# KiCad board mlcflex.kicad_pcb
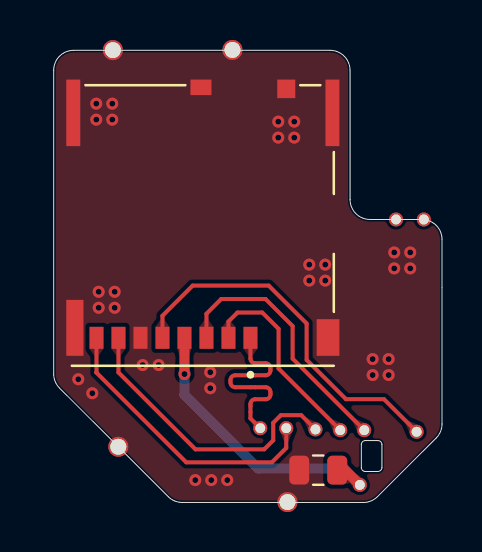
[diagram p0: board, top side]
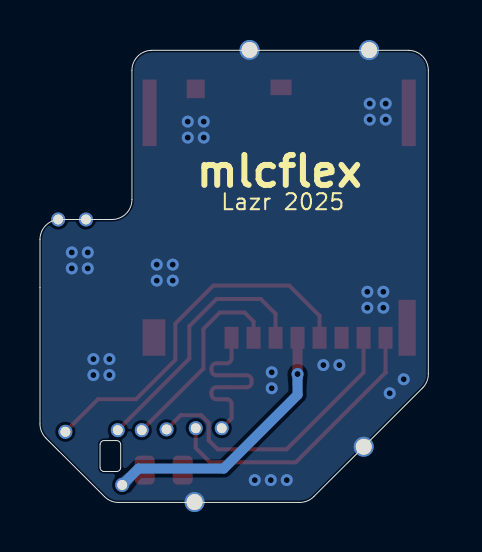
[diagram p1: board, bottom side, seen from below]

Outline 19.42 x 22.64 mm; copper layers: Top, Bottom. Coordinates in mm from the lower left corner of the outline.
Outline path: 0,21.64 0,6.43 arc(0.08,6.05) 0.29,5.73 5.73,0.29 arc(6.05,0.08) 6.43,0 15.49,0 arc(15.87,0.08) 16.19,0.29 19.13,3.23 arc(19.34,3.55) 19.42,3.93 19.42,13.17 arc(19.13,13.88) 18.42,14.17 15.82,14.17 arc(15.11,14.46) 14.82,15.17 14.82,21.64 arc(14.53,22.35) 13.82,22.64 1,22.64 arc(0.29,22.35) 0,21.64 ; 15.39,2.9 arc(15.44,3.04) 15.58,3.1 16.22,3.1 arc(16.36,3.04) 16.41,2.9 16.41,1.75 arc(16.36,1.61) 16.22,1.55 15.58,1.55 arc(15.44,1.61) 15.39,1.75 15.39,2.9
Stack: Top 0.035mm / dielectric 0.03mm FR4 er 4.5 / Bottom 0.035mm

## Placement (name value [footprint] x y rotation side)
C1  22uF  [C_0805_2012Metric]  13.23 1.62 180 top
J1  503398-1892  [MOLEX_503398-1892]  7.46 13.87 180 top
J32  Conn_01x01  [wii-single-via-0.5mm]  10.33 3.72 0 top
NOREF  -  [unnamed]  11.63 3.72 0 top
NOREF#2  -  [unnamed]  17.12 14.17 0 top
NOREF#3  -  [unnamed]  13.09 3.66 0 top
NOREF#4  -  [unnamed#2]  11.69 0.02 0 top
NOREF#5  -  [unnamed#2]  8.94 22.66 0 top
NOREF#6  -  [unnamed]  15.53 3.62 0 top
NOREF#7  -  [unnamed#2]  3.23 2.79 0 top
NOREF#8  -  [unnamed]  15.31 0.88 0 top
NOREF#9  -  [unnamed#2]  2.96 22.65 0 top
NOREF#10  -  [unnamed]  14.33 3.62 0 top
NOREF#11  -  [unnamed]  18.51 14.17 0 top
NOREF#12  -  [unnamed]  18.15 3.54 0 top

## Library data of the parts
C1 = -: Description: Unpolarized capacitor; ki_fp_filters: C_*

## Footprints (pads in the part's own frame, mm; a bottom-side part is the same pattern mirrored in y, then rotated)
C_0805_2012Metric
  rrect 1x1.45 smd: 1(-0.95,0) 2(0.95,0)
MOLEX_503398-1892
  rect 0.7x1.1 smd: 1(-2.38,5.625) 2(-1.28,5.625) 3(-0.18,5.625) 4(0.92,5.625) 5(2.02,5.625) 6(3.12,5.625) 7(4.22,5.625) 8(5.32,5.625)
  rect 0.9x0.93 smd: 9(-4.17,-6.84)
  rect 1.05x0.78 smd: 10(0.095,-6.915)
  rect 1.14x1.83 smd: P1(-6.26,5.61)
  rect 0.86x2.8 smd: P2(6.4,5.125)
  rect 0.7x3.33 smd: P3(-6.48,-5.64) P4(6.48,-5.64)
unnamed
  round 0.7 hole 0.5: 1(0,0)
unnamed#2
  oval 1x1 hole 0.8: 1(0,0)
wii-single-via-0.5mm
  round 0.508 hole 0.5: 1(0,0)

## Nets
+3V3: C1.1 J1.4 NOREF#8.1
GND: C1.2 J1.6 J1.9 J1.10 J1.P1 J1.P2 J1.P3 J1.P4 NOREF#4.1 NOREF#5.1 NOREF#7.1 NOREF#9.1
/CLK: J1.5 NOREF#12.1
/CMD: J1.3 NOREF#6.1
/DAT0: J1.7 NOREF#3.1
/DAT1: J1.8 NOREF.1
/DAT2: J1.1 J32.1
/DAT3: J1.2 NOREF#10.1

Pads without a net: NOREF#2 1; NOREF#11 1

## Via types
v1: diameter 0.6, hole 0.3, Top to Bottom, 34 vias

## Routing (per net, layer and track width the routed paths; a pad name or vN(x,y) marks a point on that pad's centre or on a via; arc(x,y) is an arc through that point)
+3V3: length 15.3
  Top w0.2: 14.1,1.7 14.03,1.7 13.92,1.59
  Top w0.5: v1(6.54,6.43) J1.4 ; NOREF#8.1 14.49,1.7 14.1,1.7
  Bottom w0.5: NOREF#8.1 14.49,1.7 10.23,1.7 6.54,5.39 v1(6.54,6.43)
GND:
  vias: v1(1.23,6.17) v1(1.93,5.47) v1(2.13,19.97) v1(2.13,19.17) v1(2.25,10.55) v1(2.25,9.75) v1(2.93,19.97) v1(2.93,19.17) v1(3.05,10.55) v1(3.05,9.75) v1(4.45,6.88) v1(5.25,6.88) v1(7.08,1.12) v1(7.83,6.52) v1(7.83,5.72) v1(7.88,1.12) v1(8.68,1.12) v1(11.23,19.07) v1(11.23,18.27) v1(12.03,19.07) v1(12.03,18.27) v1(12.78,11.91) v1(12.78,11.11) v1(13.58,11.91) v1(13.58,11.11) v1(15.95,7.18) v1(15.95,6.38) v1(16.75,7.18) v1(16.75,6.38) v1(17.03,12.52) v1(17.03,11.72) v1(17.83,12.52) v1(17.83,11.72)
/CLK: length 18.5
  Top w0.2: NOREF#12.1 16.52,5.17 14.62,5.17 12.65,7.14 12.65,8.96 10.75,10.86 6.95,10.86 5.44,9.35 J1.5
/CMD: length 13.1
  Top w0.2: NOREF#6.1 11.95,7.2 11.95,8.83 10.59,10.19 8.38,10.19 7.64,9.45 J1.3
/DAT0: length 14.7
  Top w0.2: J1.7 3.24,6.51 7.09,2.66 10.53,2.66 10.98,3.11 10.98,3.99 11.36,4.37 12.38,4.37 NOREF#3.1
/DAT1: length 14.4
  Top w0.2: J1.8 2.14,6.52 2.13,6.51 6.63,2.01 10.91,2.01 11.63,2.73 NOREF.1
/DAT2: length 9.9
  Top w0.2: J1.1 9.84,7.21 arc(9.91,7.04) 10.08,6.97 10.6,6.97 arc(10.77,6.9) 10.84,6.73 10.84,6.61 arc(10.77,6.44) 10.6,6.37 9.08,6.37 arc(8.91,6.3) 8.84,6.13 8.84,6.01 arc(8.91,5.84) 9.08,5.77 10.6,5.77 arc(10.77,5.7) 10.84,5.53 10.84,5.41 arc(10.77,5.24) 10.6,5.17 10.08,5.17 arc(9.91,5.1) 9.84,4.93 9.84,4.21 J32.1
/DAT3: length 10.2
  Top w0.2: J1.2 8.74,9.06 9.19,9.51 10.43,9.51 11.25,8.69 11.25,6.7 NOREF#10.1

## Copper pours and planes (outline as drawn; the poured copper is in the pictures)
GND on Top, Bottom: -2.85,31.47 23.56,30.3 31.68,26.31 32.7,-1.66 21.99,-8.78 -5.62,-3.92 -10.98,2.88 -9.8,28.37

Small or netless copper shapes (teardrops, artwork), in the pictures only: 16 on Top, 2 on Bottom

## Text on the board
B.Silkscreen: Lazr 2025 | mlcflex
